# KiCad board backplane.20-slot.kicad_pcb (continued)
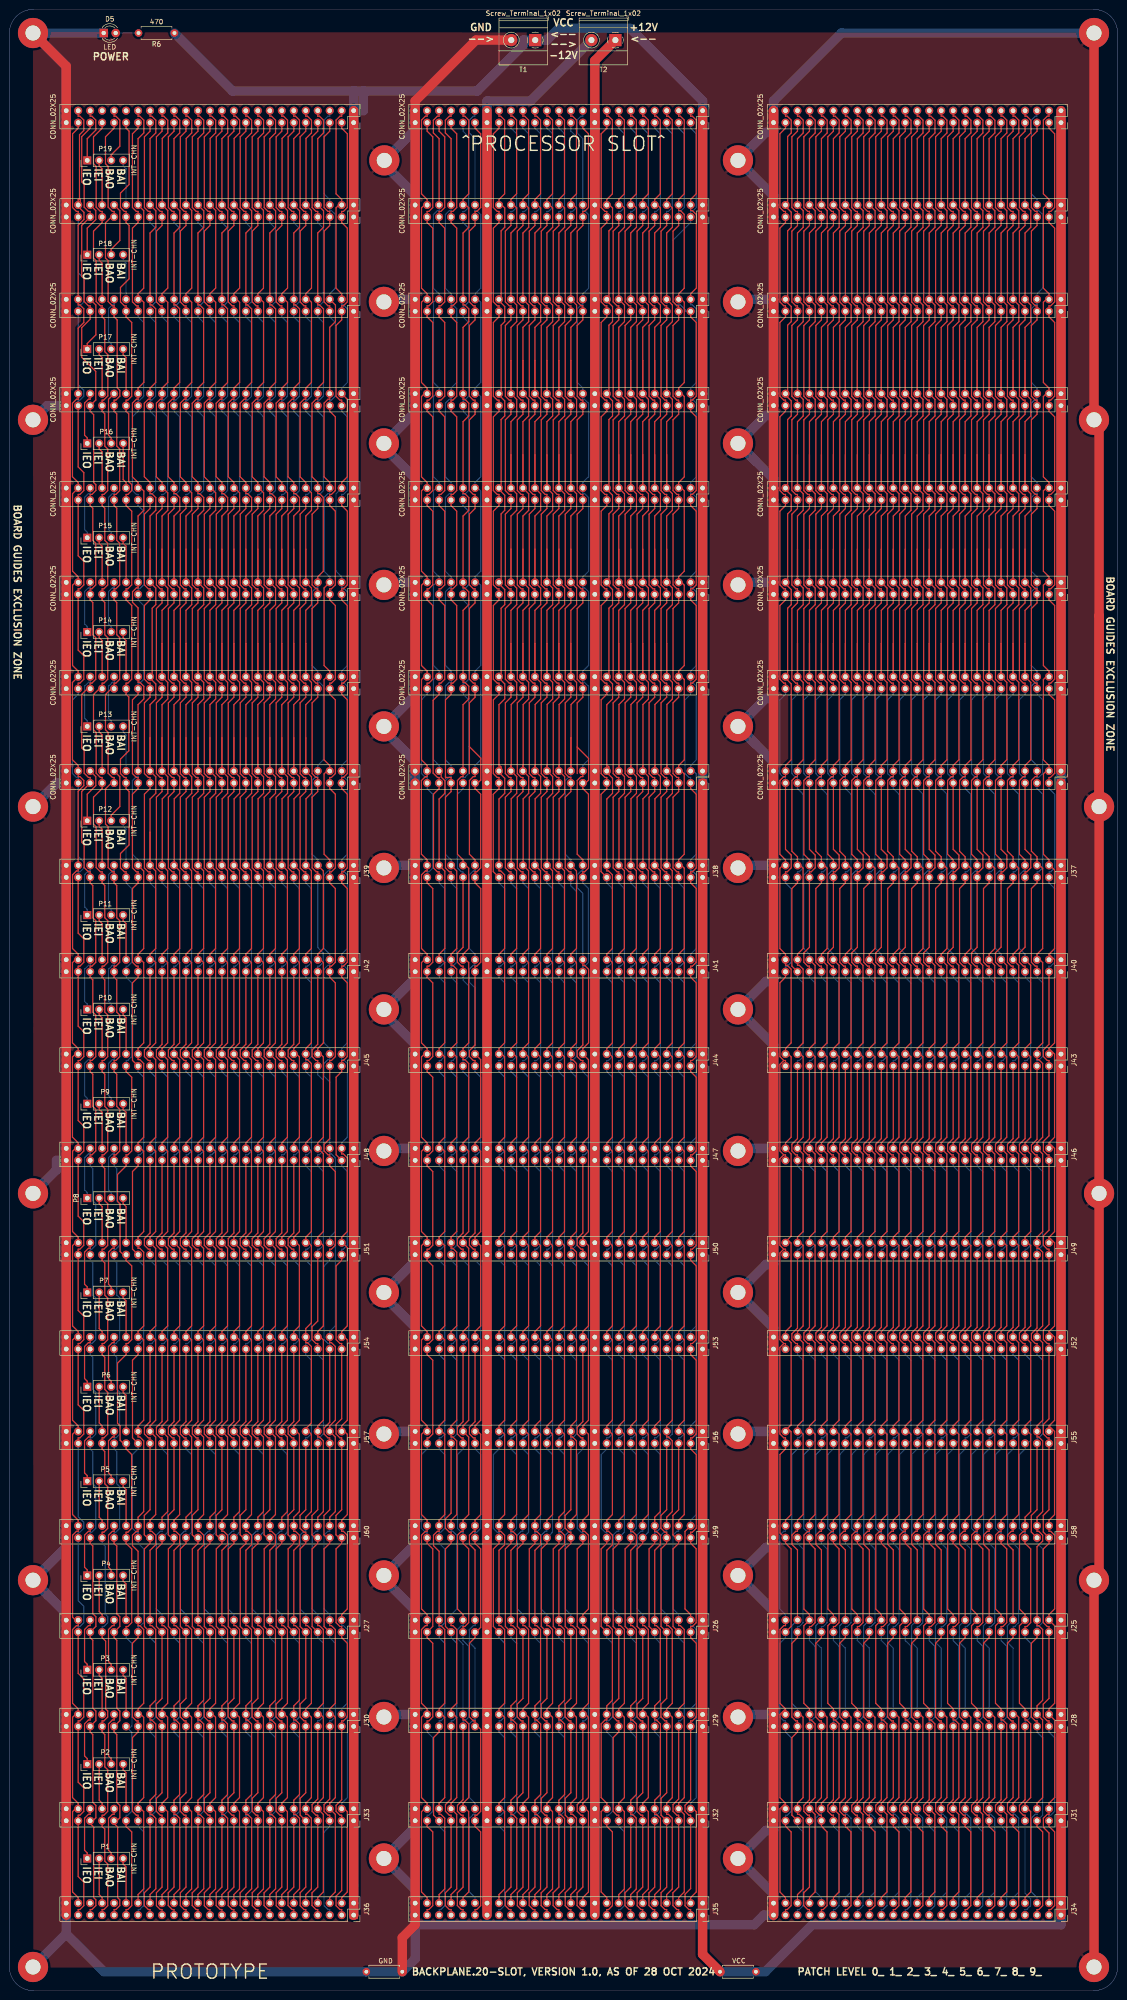
[diagram p0: board, top side]
## Routing (per net, layer and track width the routed paths; a pad name or vN(x,y) marks a point on that pad's centre or on a via; arc(x,y) is an arc through that point) (continued)
/A23: length 405
  Top w0.25: 121.6,179.13 122.79,177.93 122.79,160.91 121.6,159.72 121.6,159.13 ; 121.6,179.13 121.6,179.72 122.79,180.91 122.79,197.35 J44.22 121.6,199.72 122.81,200.93 122.81,216.52 121.97,217.36 121.6,217.36 J41.22 ; 121.6,179.13 J47.22 ; J53.22 121.6,139.13 ; 121.6,139.13 122.79,137.93 122.79,120.91 121.6,119.72 121.6,119.13 ; 121.6,139.13 121.6,139.72 122.79,140.91 122.79,157.93 121.6,159.13 ; 121.6,39.13 121.6,39.72 122.79,40.91 122.79,57.93 121.6,59.13 ; 121.6,39.13 122.79,37.93 122.79,20.91 121.6,19.72 J35.22 ; 121.6,39.13 J32.22 ; 121.6,159.13 J50.22 ; J56.22 121.6,119.13 ; 121.6,119.13 122.79,117.94 122.79,100.91 121.6,99.72 J59.22 121.6,97.36 121.97,97.36 122.8,96.54 122.8,80.91 121.6,79.72 J26.22 121.6,77.36 121.97,77.36 122.79,76.54 122.79,60.91 121.6,59.72 121.6,59.13 ; 121.6,59.13 J29.22 ; J38.22 121.6,239.72 120.41,240.91 120.41,256.54 121.23,257.36 121.6,257.36 J2.22
  Bottom w0.25: J2.22 121.6,259.72 122.81,260.93 122.81,276.52 121.97,277.36 121.6,277.36 J5.22 121.6,279.72 122.81,280.93 122.81,296.52 121.97,297.36 121.6,297.36 J8.22 121.6,299.72 122.81,300.93 122.81,316.52 121.97,317.36 121.6,317.36 J11.22 121.6,319.72 122.81,320.93 122.81,336.52 121.97,337.36 121.6,337.36 J14.22 121.6,339.72 120.41,340.91 120.41,356.54 121.23,357.36 121.6,357.36 J17.22 121.6,359.72 122.81,360.93 122.81,376.52 121.97,377.36 121.6,377.36 J20.22 121.6,392.6 120.38,393.82 120.38,396.51 121.23,397.36 121.6,397.36 J23.22 ; J41.22 121.6,232.6 120.38,233.82 120.38,236.51 121.23,237.36 121.6,237.36 J38.22
/A24: length 406.4
  Top w0.25: 126.68,39.13 125.49,37.93 125.49,20.91 126.68,19.72 J35.18 ; 126.68,39.13 J32.18 ; 126.68,39.13 126.68,39.72 125.49,40.91 125.49,56.54 126.31,57.36 126.68,57.36 J29.18 126.68,60.35 127.87,61.54 127.87,76.54 127.05,77.36 126.68,77.36 J26.18 126.68,93.33 127.87,94.52 127.87,96.54 127.05,97.36 126.68,97.36 J59.18 126.68,99.72 127.87,100.91 127.87,117.94 126.68,119.13 ; 127.13,318.54 127.13,317.78 127.9,317.01 127.9,313.82 127.13,313.05 127.13,298.54 ; 127.13,318.54 127.13,333.05 127.9,333.82 127.9,337.01 127.13,337.78 127.13,338.54 ; 127.13,318.54 126.68,318.54 ; 126.68,199.13 127.87,197.94 127.87,180.91 126.68,179.72 126.68,179.13 ; 126.68,199.13 126.68,199.72 127.87,200.91 127.87,217.94 126.68,219.13 ; 126.68,199.13 J44.18 ; 126.68,219.13 126.68,219.72 127.87,220.91 127.87,236.54 127.05,237.36 126.68,237.36 J38.18 126.68,252.6 127.9,253.82 127.9,257.01 127.13,257.78 127.13,259.39 126.68,259.85 ; 126.68,219.13 J41.18 ; J23.18 126.68,397.36 127.05,397.36 127.87,396.54 127.87,380.91 126.68,379.72 126.68,379.13 ; 127.13,278.54 127.13,293.05 127.9,293.82 127.9,297.01 127.13,297.78 127.13,298.54 ; 127.13,278.54 127.13,277.78 127.9,277.01 127.9,273.82 126.68,272.6 126.68,259.85 ; 127.13,278.54 126.68,278.54 ; J50.18 126.68,159.13 ; 126.68,159.13 126.68,159.72 127.87,160.91 127.87,177.94 126.68,179.13 ; 126.68,159.13 127.87,157.94 127.87,140.91 126.68,139.72 126.68,139.13 ; 127.13,298.54 126.68,298.54 ; J56.18 126.68,119.13 ; 126.68,119.13 126.68,119.72 127.87,120.91 127.87,137.94 126.68,139.13 ; 126.68,278.54 J5.18 126.68,278.54 ; 127.13,338.54 127.13,353.05 127.9,353.82 127.9,357.01 127.13,357.78 127.13,358.54 ; 127.13,338.54 126.68,338.54 ; 126.68,298.54 J8.18 126.68,298.54 ; 126.68,318.54 J11.18 126.68,318.54 ; 126.68,139.13 J53.18 ; 126.68,259.85 J2.18 ; 126.68,179.13 J47.18 ; 127.13,358.54 127.13,373.05 127.9,373.82 127.9,377.91 126.68,379.13 ; 127.13,358.54 J17.18 ; 126.68,379.13 J20.18 ; 126.68,338.54 J14.18 126.68,338.54
/A25: length 434.1
  Top w0.25: J35.16 129.22,20.35 130.41,21.54 130.41,37.94 129.22,39.13 ; 129.22,199.13 130.41,197.93 130.41,180.91 129.22,179.72 129.22,179.13 ; 129.22,199.13 129.22,199.72 130.41,200.91 130.41,217.93 129.22,219.13 ; 129.22,199.13 J44.16 ; J14.16 130.44,337.32 130.44,333.82 129.22,332.6 129.22,325.57 ; J14.16 129.22,345.57 ; J14.16 129.22,345.57 ; J26.16 129.22,77.36 129.59,77.36 130.41,76.54 130.41,60.91 129.22,59.72 129.22,59.13 ; 129.27,259.71 129.27,272.65 130.44,273.82 130.44,277.32 J5.16 ; 129.27,259.71 129.22,259.66 J2.16 ; 129.27,259.71 129.27,258.54 130.44,257.38 130.44,253.82 129.27,252.65 129.27,238.54 ; J59.16 129.22,99.72 130.41,100.91 130.41,117.93 129.22,119.13 ; J38.16 129.27,238.54 ; 129.27,238.54 130.41,237.4 130.41,220.91 129.22,219.72 129.22,219.13 ; 129.22,345.57 129.22,352.6 130.44,353.82 130.44,357.32 J17.16 129.22,372.6 130.44,373.82 130.44,377.91 129.22,379.13 ; J47.16 129.22,179.13 ; 129.22,179.13 130.41,177.93 130.41,160.91 129.22,159.72 129.22,159.13 ; 129.22,39.13 129.22,39.72 130.41,40.91 130.41,57.94 129.22,59.13 ; 129.22,39.13 J32.16 ; J29.16 129.22,59.13 ; J20.16 129.22,379.13 ; 129.22,379.13 129.22,379.72 130.41,380.91 130.41,396.54 129.59,397.36 129.22,397.36 J23.16 ; 129.22,305.57 129.22,312.6 130.44,313.82 130.44,317.32 J11.16 ; 129.22,305.57 J8.16 ; 129.22,305.57 J8.16 ; 129.22,159.13 130.41,157.93 130.41,140.91 129.22,139.72 129.22,139.13 ; 129.22,159.13 J50.16 ; J8.16 130.44,297.32 130.44,293.82 129.22,292.6 129.22,285.57 ; 129.22,285.57 J5.16 ; 129.22,285.57 J5.16 ; J53.16 129.22,139.13 ; 129.22,139.13 130.41,137.93 130.41,120.91 129.22,119.72 129.22,119.13 ; 129.22,325.57 J11.16 ; 129.22,325.57 J11.16 ; 129.22,219.13 J41.16 ; 129.22,119.13 J56.16
  Bottom w0.25: J59.16 129.22,97.36 128.85,97.36 128.03,96.54 128.03,80.91 129.22,79.72 J26.16
/A26: length 433.4
  Top w0.25: 131.81,259.71 131.81,258.54 132.98,257.38 132.98,253.82 131.81,252.65 131.81,238.54 ; 131.81,259.71 131.81,272.65 132.98,273.82 132.98,277.32 J5.14 ; 131.81,259.71 131.76,259.66 J2.14 ; 131.76,285.57 J5.14 ; 131.76,285.57 J5.14 ; 131.76,285.57 131.76,292.6 132.98,293.82 132.98,297.32 J8.14 ; J20.14 131.76,379.13 ; 131.76,379.13 132.98,377.91 132.98,373.82 131.76,372.6 J17.14 132.98,357.32 132.98,353.82 131.76,352.6 131.76,345.57 ; 131.76,379.13 131.76,379.72 132.95,380.91 132.95,396.54 132.13,397.36 131.76,397.36 J23.14 ; 131.76,219.13 132.95,217.93 132.95,200.91 131.76,199.72 131.76,199.13 ; 131.76,219.13 131.76,219.72 132.95,220.91 132.95,237.4 131.81,238.54 ; 131.76,219.13 J41.14 ; J35.14 131.76,20.35 132.94,21.53 132.94,36.55 132.13,37.36 131.76,37.36 J32.14 131.76,40.35 132.97,41.57 132.97,56.52 132.13,57.36 131.76,57.36 J29.14 131.76,60.35 132.95,61.55 132.95,76.54 132.13,77.36 131.76,77.36 J26.14 131.76,93.33 132.95,94.52 132.95,96.54 132.13,97.36 131.76,97.36 J59.14 131.76,99.72 132.95,100.91 132.95,117.93 131.76,119.13 ; 131.76,179.13 131.76,179.72 132.95,180.91 132.95,197.93 131.76,199.13 ; 131.76,179.13 132.95,177.93 132.95,160.91 131.76,159.72 131.76,159.13 ; 131.76,179.13 J47.14 ; 131.76,345.57 J14.14 ; 131.76,345.57 J14.14 ; J14.14 132.98,337.32 132.98,333.82 131.76,332.6 131.76,325.57 ; 131.76,139.13 132.95,137.93 132.95,120.91 131.76,119.72 131.76,119.13 ; 131.76,139.13 J53.14 ; 131.76,139.13 131.76,139.72 132.95,140.91 132.95,157.93 131.76,159.13 ; 131.76,159.13 J50.14 ; J8.14 131.76,305.57 ; J8.14 131.76,305.57 ; 131.76,305.57 131.76,312.6 132.98,313.82 132.98,317.32 J11.14 ; 131.81,238.54 J38.14 ; 131.76,325.57 J11.14 ; 131.76,325.57 J11.14 ; 131.76,199.13 J44.14 ; J56.14 131.76,119.13
/A27: length 434.1
  Top w0.25: 134.3,219.13 134.3,219.72 135.49,220.91 135.49,237.4 134.35,238.54 ; 134.3,219.13 J41.12 ; 134.3,219.13 135.49,217.93 135.49,200.91 134.3,199.72 134.3,199.13 ; 134.3,119.13 134.3,119.72 135.49,120.91 135.49,137.93 134.3,139.13 ; 134.3,119.13 135.49,117.93 135.49,100.91 134.3,99.72 J59.12 ; 134.3,119.13 J56.12 ; 134.3,139.13 134.3,139.72 135.49,140.91 135.49,157.93 134.3,159.13 ; 134.3,139.13 J53.12 ; 134.3,59.13 134.3,59.72 135.49,60.91 135.49,76.54 134.67,77.36 134.3,77.36 J26.12 ; 134.3,59.13 135.49,57.94 135.49,40.91 134.3,39.72 134.3,39.13 ; 134.3,59.13 J29.12 ; 134.3,345.57 134.3,352.6 135.52,353.82 135.52,357.32 J17.12 134.3,372.6 135.52,373.82 135.52,377.91 134.3,379.13 ; 134.3,345.57 J14.12 ; 134.3,345.57 J14.12 ; 134.35,238.54 134.35,252.65 135.52,253.82 135.52,257.38 134.35,258.54 134.35,259.71 ; 134.35,238.54 J38.12 ; 134.3,379.13 134.3,379.72 135.49,380.91 135.49,396.54 134.67,397.36 134.3,397.36 J23.12 ; 134.3,379.13 J20.12 ; J47.12 134.3,179.13 ; 134.3,179.13 135.49,177.93 135.49,160.91 134.3,159.72 134.3,159.13 ; 134.3,179.13 134.3,179.72 135.49,180.91 135.49,197.93 134.3,199.13 ; 134.3,305.57 134.3,312.6 135.52,313.82 135.52,317.32 J11.12 ; 134.3,305.57 J8.12 ; 134.3,305.57 J8.12 ; J5.12 135.52,277.32 135.52,273.82 134.35,272.65 134.35,259.71 ; J5.12 134.3,285.57 ; J5.12 134.3,285.57 ; J8.12 135.52,297.32 135.52,293.82 134.3,292.6 134.3,285.57 ; 134.3,199.13 J44.12 ; 134.3,39.13 135.49,37.94 135.49,21.54 134.3,20.35 J35.12 ; 134.3,39.13 J32.12 ; J14.12 135.52,337.32 135.52,333.82 134.3,332.6 134.3,325.57 ; 134.35,259.71 134.3,259.66 J2.12 ; 134.3,325.57 J11.12 ; 134.3,325.57 J11.12 ; J50.12 134.3,159.13
  Bottom w0.25: J59.12 134.3,97.36 133.93,97.36 133.11,96.54 133.11,80.91 134.3,79.72 J26.12
/A28: length 433.4
  Top w0.25: 136.84,345.57 136.84,352.6 138.06,353.82 138.06,357.32 J17.10 136.84,372.6 138.06,373.82 138.06,377.91 136.84,379.13 ; 136.84,345.57 J14.10 ; 136.84,345.57 J14.10 ; 136.84,139.13 136.84,139.72 138.03,140.91 138.03,157.93 136.84,159.13 ; 136.84,139.13 138.03,137.93 138.03,120.91 136.84,119.72 136.84,119.13 ; 136.84,139.13 J53.10 ; 136.84,285.57 J5.10 ; 136.84,285.57 J5.10 ; 136.84,285.57 136.84,292.6 138.06,293.82 138.06,297.32 J8.10 ; J5.10 138.06,277.32 138.06,273.82 136.89,272.65 136.89,259.71 ; J23.10 136.84,397.36 137.21,397.36 138.03,396.54 138.03,380.91 136.84,379.72 136.84,379.13 ; J56.10 136.84,119.13 ; 136.84,119.13 138.03,117.93 138.03,101.55 136.84,100.35 J59.10 136.84,97.36 137.21,97.36 138.03,96.54 138.03,94.52 136.84,93.33 J26.10 136.84,77.36 137.21,77.36 138.03,76.54 138.03,61.55 136.84,60.35 J29.10 136.84,57.36 137.21,57.36 138.05,56.52 138.05,41.57 136.84,40.35 J32.10 136.84,37.36 137.21,37.36 138.06,36.51 138.06,21.57 136.84,20.35 J35.10 ; J11.10 138.06,317.32 138.06,313.82 136.84,312.6 136.84,305.57 ; J11.10 136.84,325.57 ; J11.10 136.84,325.57 ; 136.84,159.13 136.84,159.72 138.03,160.91 138.03,177.93 136.84,179.13 ; 136.84,159.13 J50.10 ; 136.89,238.54 136.89,252.65 138.06,253.82 138.06,257.38 136.89,258.54 136.89,259.71 ; 136.89,238.54 J38.10 ; 136.89,238.54 138.03,237.4 138.03,220.91 136.84,219.72 136.84,219.13 ; J14.10 138.06,337.32 138.06,333.82 136.84,332.6 136.84,325.57 ; 136.84,199.13 138.03,197.93 138.03,180.91 136.84,179.72 136.84,179.13 ; 136.84,199.13 136.84,199.72 138.03,200.91 138.03,217.93 136.84,219.13 ; 136.84,199.13 J44.10 ; 136.84,379.13 J20.10 ; J47.10 136.84,179.13 ; 136.84,219.13 J41.10 ; 136.89,259.71 136.84,259.66 J2.10 ; 136.84,305.57 J8.10 ; 136.84,305.57 J8.10
/A29: length 433.4
  Top w0.25: 139.38,159.13 139.38,159.72 140.57,160.91 140.57,177.93 139.38,179.13 ; 139.38,159.13 140.57,157.93 140.57,140.91 139.38,139.72 139.38,139.13 ; 139.38,159.13 J50.8 ; J38.8 139.43,238.54 ; 139.43,238.54 140.57,237.4 140.57,220.91 139.38,219.72 139.38,219.13 ; 139.43,238.54 139.43,252.65 140.6,253.82 140.6,257.38 139.43,258.54 139.43,259.71 ; 139.38,325.57 J11.8 ; 139.38,325.57 139.38,332.6 140.6,333.82 140.6,337.32 J14.8 ; 139.38,325.57 J11.8 ; J11.8 140.6,317.32 140.6,313.82 139.38,312.6 139.38,305.57 ; J47.8 139.38,179.13 ; 139.38,179.13 139.38,179.72 140.57,180.91 140.57,197.93 139.38,199.13 ; 139.38,219.13 J41.8 ; 139.38,219.13 140.57,217.93 140.57,200.91 139.38,199.72 139.38,199.13 ; 139.43,259.71 139.43,272.65 140.6,273.82 140.6,277.32 J5.8 ; 139.43,259.71 139.38,259.66 J2.8 ; J8.8 140.6,297.32 140.6,293.82 139.38,292.6 139.38,285.57 ; J8.8 139.38,305.57 ; J8.8 139.38,305.57 ; J29.8 139.38,59.13 ; 139.38,59.13 140.57,57.94 140.57,40.91 139.38,39.72 J32.8 139.38,37.36 139.75,37.36 140.57,36.54 140.57,21.54 139.38,20.35 J35.8 ; 139.38,59.13 139.38,59.72 140.57,60.91 140.57,76.54 139.75,77.36 139.38,77.36 J26.8 ; J14.8 139.38,345.57 ; J14.8 139.38,345.57 ; 139.38,345.57 139.38,352.6 140.6,353.82 140.6,357.32 J17.8 139.38,372.6 140.6,373.82 140.6,377.91 139.38,379.13 ; 139.38,139.13 140.57,137.93 140.57,120.91 139.38,119.72 J56.8 139.38,117.36 139.75,117.36 140.57,116.54 140.57,101.54 139.38,100.35 J59.8 ; 139.38,139.13 J53.8 ; 139.38,285.57 J5.8 ; 139.38,285.57 J5.8 ; 139.38,379.13 139.38,379.72 140.57,380.91 140.57,396.54 139.75,397.36 139.38,397.36 J23.8 ; 139.38,379.13 J20.8 ; 139.38,199.13 J44.8
  Bottom w0.25: J59.8 139.38,97.36 139.01,97.36 138.19,96.54 138.19,80.91 139.38,79.72 J26.8
/A30: length 407.9
  Top w0.25: 141.92,179.13 141.92,179.72 143.11,180.91 143.11,197.93 141.92,199.13 ; 141.92,179.13 143.11,177.93 143.11,160.91 141.92,159.72 141.92,159.13 ; 141.92,179.13 J47.6 ; 143.11,257.94 143.11,257.93 ; 143.11,257.94 141.92,259.13 ; 143.11,257.94 143.11,240.9 141.92,239.72 141.92,239.13 ; 141.92,279.13 141.92,279.72 143.11,280.91 143.11,297.94 141.92,299.13 ; 141.92,279.13 J5.6 ; 141.92,279.13 143.11,277.93 143.11,260.91 141.92,259.72 141.92,259.13 ; 141.92,239.13 143.11,237.93 143.11,220.91 141.92,219.72 141.92,219.13 ; 141.92,239.13 J38.6 ; J26.6 141.92,77.36 142.29,77.36 143.11,76.54 143.11,60.91 141.92,59.72 141.92,59.13 ; J59.6 141.92,99.72 143.11,100.91 143.11,117.94 141.92,119.13 ; J11.6 141.92,319.13 ; 141.92,319.13 141.92,319.72 143.11,320.91 143.11,337.93 141.92,339.13 ; 141.92,319.13 143.11,317.94 143.11,300.91 141.92,299.72 141.92,299.13 ; 141.92,359.13 141.92,359.72 143.1,360.9 143.1,376.55 142.29,377.36 141.92,377.36 J20.6 141.92,379.72 143.11,380.91 143.11,396.54 142.29,397.36 141.92,397.36 J23.6 ; 141.92,359.13 J17.6 ; 141.92,359.13 143.11,357.93 143.11,340.91 141.92,339.72 141.92,339.13 ; 141.92,339.13 J14.6 ; 141.92,159.13 143.11,157.93 143.11,140.91 141.92,139.72 141.92,139.13 ; 141.92,159.13 J50.6 ; J8.6 141.92,299.13 ; 141.92,259.13 J2.6 ; 141.92,219.13 J41.6 ; 141.92,219.13 143.11,217.93 143.11,200.91 141.92,199.72 141.92,199.13 ; 141.92,59.13 J29.6 ; 141.92,59.13 143.11,57.93 143.11,40.91 141.92,39.72 J32.6 143.11,37.35 143.11,20.91 141.92,19.72 J35.6 ; 141.92,119.13 141.92,119.72 143.11,120.91 143.11,137.93 141.92,139.13 ; 141.92,119.13 J56.6 ; J53.6 141.92,139.13 ; 141.92,199.13 J44.6
  Bottom w0.25: J26.6 141.92,79.72 140.73,80.91 140.73,96.54 141.55,97.36 141.92,97.36 J59.6
/A31: length 406.6
  Top w0.25: J32.4 144.46,39.13 145.65,37.93 145.65,20.91 144.46,19.72 J35.4 ; J26.4 144.46,79.72 143.27,80.91 143.27,97.35 J59.4 ; J23.4 144.46,397.36 144.83,397.36 145.65,396.54 145.65,380.91 144.46,379.72 J20.4 144.46,377.36 144.83,377.36 145.68,376.52 145.68,360.93 144.46,359.72 J17.4
  Bottom w0.25: J47.4 144.46,179.13 ; 144.46,179.13 144.46,179.72 145.65,180.91 145.65,197.93 144.46,199.13 ; 144.46,179.13 145.65,177.93 145.65,160.91 144.46,159.72 144.46,159.13 ; J41.4 144.46,219.13 ; 144.46,219.13 145.65,217.93 145.65,200.91 144.46,199.72 144.46,199.13 ; 144.46,219.13 144.46,219.72 145.65,220.91 145.65,236.54 144.83,237.36 144.46,237.36 J38.4 144.46,239.72 145.66,240.91 145.66,257.93 144.46,259.13 ; J29.4 144.46,59.13 ; 144.46,59.13 144.46,59.72 145.65,60.91 145.65,76.54 144.83,77.36 144.46,77.36 J26.4 ; 144.46,59.13 145.65,57.93 145.65,40.91 144.46,39.72 J32.4 ; J17.4 144.46,357.36 144.83,357.36 145.65,356.54 145.65,340.91 144.46,339.72 J14.4 144.46,337.36 144.83,337.36 145.65,336.54 145.65,320.91 144.46,319.72 J11.4 144.46,317.36 144.83,317.36 145.65,316.54 145.65,300.91 144.46,299.72 J8.4 144.46,297.36 144.83,297.36 145.65,296.54 145.65,280.91 144.46,279.72 J5.4 144.46,277.36 144.83,277.36 145.65,276.54 145.65,260.91 144.46,259.72 144.46,259.13 ; 144.46,259.13 J2.4 ; J56.4 144.46,119.13 ; 144.46,119.13 144.46,119.72 145.65,120.91 145.65,137.93 144.46,139.13 ; 144.46,119.13 145.65,117.93 145.65,100.91 144.46,99.72 J59.4 ; 144.46,159.13 145.65,157.93 145.65,140.91 144.46,139.72 144.46,139.13 ; 144.46,159.13 J50.4 ; 144.46,139.13 J53.4 ; 144.46,199.13 J44.4
/AUXCLK0: length 408.1
  Top w0.25: J50.48 88.58,159.13 ; 88.58,159.13 88.58,159.72 87.39,160.91 87.39,177.93 88.58,179.13 ; 88.58,159.13 87.39,157.93 87.39,140.91 88.58,139.72 88.58,139.13 ; J47.48 88.58,179.13 ; 88.58,179.13 88.58,179.72 87.39,180.91 87.39,197.93 88.58,199.13 ; J5.48 88.58,279.13 ; 88.58,279.13 88.58,279.72 87.39,280.91 87.39,297.94 88.58,299.13 ; 88.58,279.13 87.39,277.94 87.39,260.91 88.58,259.72 J2.48 88.58,257.36 88.21,257.36 87.37,256.52 87.37,240.93 88.58,239.72 J38.48 88.58,237.36 88.21,237.36 87.39,236.54 87.39,220.91 88.58,219.72 88.58,219.13 ; J53.48 88.58,139.13 ; 88.58,139.13 87.39,137.93 87.39,120.91 88.58,119.72 88.58,119.13 ; J29.48 88.58,59.13 ; 88.58,59.13 87.39,57.93 87.39,40.91 88.58,39.72 88.58,39.13 ; 88.58,59.13 88.58,59.72 87.39,60.91 87.39,76.54 88.21,77.36 88.58,77.36 J26.48 88.58,79.72 87.39,80.91 87.39,96.54 88.21,97.36 88.58,97.36 J59.48 88.58,99.72 87.39,100.91 87.39,117.93 88.58,119.13 ; 88.58,339.13 88.58,339.72 87.39,340.91 87.39,357.94 88.58,359.13 ; 88.58,339.13 J14.48 ; 88.58,339.13 87.39,337.93 87.39,320.91 88.58,319.72 88.58,319.13 ; 88.58,199.13 88.58,199.72 87.39,200.91 87.39,217.93 88.58,219.13 ; 88.58,199.13 J44.48 ; 88.58,299.13 88.58,299.72 87.39,300.91 87.39,317.93 88.58,319.13 ; 88.58,299.13 J8.48 ; 88.58,379.13 88.58,379.72 87.39,380.91 87.39,396.54 88.21,397.36 88.58,397.36 J23.48 ; 88.58,379.13 87.39,377.93 87.39,360.91 88.58,359.72 88.58,359.13 ; 88.58,379.13 J20.48 ; 88.58,219.13 J41.48 ; J32.48 88.58,39.13 ; 88.58,39.13 87.39,37.93 87.39,20.91 88.58,19.72 J35.48 ; J11.48 88.58,319.13 ; J17.48 88.58,359.13 ; J56.48 88.58,119.13
/AUXCLK1: length 402.6
  Top w0.25: J23.47 88.58,394.19 89.77,393 89.77,378 88.94,377.18 88.58,377.18 J20.47 88.58,374.82 89.77,373.63 89.77,358 88.94,357.18 88.58,357.18 J17.47 88.58,354.82 89.77,353.63 89.77,338 88.94,337.18 88.58,337.18 J14.47 88.58,334.82 89.77,333.63 89.77,318 88.94,317.18 88.58,317.18 J11.47 88.58,314.82 89.77,313.63 89.77,298 88.94,297.18 88.58,297.18 J8.47 88.58,294.82 89.77,293.63 89.77,278 88.94,277.18 88.58,277.18 J5.47 ; J56.47 88.58,117.18 88.95,117.18 89.77,118 89.77,133.63 88.58,134.82 J53.47 88.58,137.18 88.95,137.18 89.77,138 89.77,153.63 88.58,154.82 J50.47 88.58,157.18 88.95,157.18 89.77,158 89.77,173.63 88.58,174.82 J47.47 88.58,177.18 88.95,177.18 89.77,178 89.77,193.63 88.58,194.82 J44.47 88.58,197.18 88.95,197.18 89.77,198 89.77,213.63 88.58,214.82 J41.47 88.58,217.18 88.95,217.18 89.77,218 89.77,233.63 88.58,234.82 J38.47 ; J35.47 88.58,17.18 88.95,17.18 89.77,18 89.77,33.63 88.58,34.82 J32.47 ; J29.47 88.58,57.18 88.95,57.18 89.77,58 89.77,73.63 88.58,74.82 J26.47 89.77,77.19 89.77,93.63 88.58,94.82 J59.47
  Bottom w0.25: J59.47 88.58,97.18 88.21,97.18 87.37,98.02 87.37,113.61 88.58,114.82 J56.47 ; J29.47 88.58,54.82 89.77,53.63 89.77,38 88.95,37.18 88.58,37.18 J32.47 ; J38.47 88.58,237.18 88.95,237.18 89.77,238 89.77,253.63 88.58,254.82 J2.47 88.58,257.18 88.21,257.18 87.39,258 87.39,273.63 88.58,274.82 J5.47
/AUXCLK2: length 405.3
  Top w0.25: 165.03,338.54 165.03,337.78 165.8,337.01 165.8,333.82 165.03,333.05 165.03,318.54 ; 165.03,338.54 165.03,353.05 165.8,353.82 165.8,357.01 165.03,357.78 165.03,358.54 ; 165.03,338.54 164.58,338.54 ; 164.58,239.13 164.58,239.72 163.39,240.91 163.39,256.54 164.21,257.36 164.58,257.36 J3.48 164.58,259.72 165.8,260.93 165.8,277.01 165.03,277.78 165.03,278.54 ; 164.58,239.13 J37.48 ; 164.58,239.13 163.39,237.93 163.39,220.91 164.58,219.72 J40.48 164.58,217.36 164.95,217.36 165.77,216.54 165.77,200.91 164.58,199.72 164.58,199.13 ; 165.03,119.2 165.77,119.94 165.77,137.35 J52.48 164.58,139.72 165.76,140.89 165.76,158.48 165.03,159.2 ; 165.03,119.2 164.66,119.2 164.58,119.13 J55.48 ; 165.03,119.2 165.76,118.48 165.76,100.89 164.58,99.72 J58.48 ; J34.48 164.58,19.72 163.4,20.89 163.4,38.54 164.58,39.72 ; 164.58,39.72 163.4,40.89 163.4,58.54 164.58,59.72 ; 164.58,39.72 J31.48 ; J18.48 165.03,358.54 ; 165.03,358.54 165.03,373.05 165.8,373.82 165.8,377.01 165.03,377.78 165.03,378.54 ; 164.58,59.72 163.4,60.89 163.4,76.56 164.21,77.36 164.58,77.36 J25.48 ; 164.58,59.72 J28.48 ; 165.03,318.54 165.03,317.78 165.8,317.01 165.8,313.82 165.03,313.05 165.03,298.54 ; 165.03,318.54 164.58,318.54 ; J43.48 164.58,199.13 ; 164.58,199.13 165.77,197.94 165.77,180.91 164.58,179.72 J46.48 165.77,177.35 165.77,159.94 165.03,159.2 ; 164.58,338.54 J15.48 164.58,338.54 ; 165.03,298.54 164.58,298.54 ; 165.03,298.54 165.03,297.78 165.8,297.01 165.8,293.82 165.03,293.05 165.03,278.54 ; J24.48 164.58,397.36 164.95,397.36 165.8,396.51 165.8,393.82 165.03,393.05 165.03,378.54 ; 165.03,278.54 164.58,278.54 ; 164.58,278.54 J6.48 164.58,278.54 ; 164.58,298.54 J9.48 164.58,298.54 ; 165.03,159.2 164.66,159.2 164.58,159.13 J49.48 ; 165.03,378.54 J21.48 ; 164.58,318.54 J12.48 164.58,318.54
  Bottom w0.25: J25.48 164.58,79.72 163.37,80.93 163.37,96.52 164.21,97.36 164.58,97.36 J58.48
/AUXCLK3: length 431.6
  Top w0.25: 167.12,285.57 167.12,292.6 168.34,293.82 168.34,297.32 J9.46 ; 167.12,285.57 J6.46 ; 167.12,285.57 J6.46 ; J49.46 167.12,159.13 ; 167.12,159.13 168.31,157.93 168.31,140.91 167.12,139.72 J52.46 168.31,137.35 168.31,120.91 167.12,119.72 167.12,119.13 ; 167.12,159.13 167.12,159.72 168.31,160.91 168.31,177.35 J46.46 167.12,179.72 168.31,180.91 168.31,197.93 167.12,199.13 ; 167.12,325.57 167.12,332.6 168.34,333.82 168.34,337.32 J15.46 ; 167.12,325.57 J12.46 ; 167.12,325.57 J12.46 ; 167.12,305.57 167.12,312.6 168.34,313.82 168.34,317.32 J12.46 ; 167.12,305.57 J9.46 ; 167.12,305.57 J9.46 ; J6.46 168.34,277.32 168.34,260.93 167.12,259.72 J3.46 167.12,257.36 166.75,257.36 165.93,256.54 165.93,241.54 167.12,240.35 167.12,239.13 ; 167.12,199.13 167.12,199.72 168.31,200.91 168.31,216.54 167.49,217.36 167.12,217.36 J40.46 167.12,219.72 168.31,220.91 168.31,237.94 167.12,239.13 ; 167.12,199.13 J43.46 ; J25.46 167.12,93.4 165.94,94.58 165.94,96.56 166.75,97.36 167.12,97.36 J58.46 167.12,99.72 168.31,100.91 168.31,117.93 167.12,119.13 ; 167.12,239.13 J37.46 ; J15.46 167.12,345.57 ; J15.46 167.12,345.57 ; 167.12,345.57 167.12,352.6 168.34,353.82 168.34,357.32 J18.46 167.12,372.6 168.34,373.82 168.34,377.32 J21.46 167.12,392.6 168.34,393.82 168.34,396.51 167.49,397.36 167.12,397.36 J24.46 ; 167.12,119.13 J55.46 ; J34.46 167.12,20.35 168.31,21.54 168.31,36.54 167.49,37.36 167.12,37.36 J31.46 167.12,39.72 168.31,40.91 168.31,57.94 167.12,59.13 J28.46
  Bottom w0.25: J25.46 165.93,77.35 165.93,60.91 167.12,59.72 J28.46
/CLK: length 403
  Top w0.25: J19.15 55.22,377.18 54.85,377.18 54.03,378 54.03,393 55.22,394.19 J22.15 ; J45.15 55.22,197.18 54.85,197.18 54.03,198 54.03,199.42 55.22,200.61 J42.15 ; J48.15 55.22,160.61 54.03,159.42 54.03,158 54.85,157.18 55.22,157.18 J51.15 ; J60.15 55.22,95.41 ; 55.22,95.41 54.01,96.63 54.01,100.72 55.22,101.94 J57.15 55.22,117.18 54.85,117.18 54.03,118 54.03,119.42 55.22,120.61 J54.15 ; 55.22,95.41 55.22,94.82 54.03,93.63 54.03,77.19 J27.15 ; J10.15 55.22,314.19 54.03,313 54.03,298 54.85,297.18 55.22,297.18 J7.15 55.22,294.19 54.03,293 54.03,278 54.85,277.18 55.22,277.18 J4.15 55.22,274.19 54.03,273 54.03,258 54.85,257.18 55.22,257.18 J1.15 55.22,254.19 54.03,253 54.03,238 54.85,237.18 55.22,237.18 J39.15 ; J36.15 55.22,17.18 54.85,17.18 54,18.03 54,20.72 55.22,21.94 J33.15
  Bottom w0.25: J54.15 55.22,137.18 55.59,137.18 56.41,138 56.41,153.63 55.22,154.82 J51.15 ; J39.15 55.22,234.82 56.41,233.63 56.41,218 55.59,217.18 55.22,217.18 J42.15 ; J10.15 55.22,317.18 55.59,317.18 56.41,318 56.41,333.63 55.22,334.82 J13.15 55.22,337.18 55.59,337.18 56.41,338 56.41,353.63 55.22,354.82 J16.15 55.22,357.18 55.59,357.18 56.41,358 56.41,373.63 55.22,374.82 J19.15 ; J45.15 55.22,194.82 56.41,193.63 56.41,178 55.59,177.18 55.22,177.18 J48.15 ; J27.15 55.22,74.82 56.41,73.63 56.41,58 55.59,57.18 55.22,57.18 J30.15 55.22,54.82 56.41,53.63 56.41,38 55.59,37.18 55.22,37.18 J33.15
/CRUCLK: length 426.4
  Top w0.25: 57.76,305.57 57.76,312.6 58.98,313.82 58.98,317.52 57.76,318.74 ; 57.76,305.57 J7.14 ; 57.76,305.57 J7.14 ; J54.14 57.76,139.13 ; 57.76,139.13 58.95,137.93 58.95,120.91 57.76,119.72 57.76,119.13 ; 57.76,139.13 57.76,139.72 58.95,140.91 58.95,157.35 J51.14 ; 57.76,359.13 58.98,357.91 58.98,340.93 57.76,339.72 J13.14 57.76,337.36 57.39,337.36 56.57,336.54 56.57,320.91 57.76,319.72 57.76,318.74 ; 57.76,359.13 J16.14 ; 57.76,359.13 57.76,359.72 58.98,360.93 58.98,377.37 57.81,378.54 ; 57.76,39.13 58.95,37.94 58.95,21.54 57.76,20.35 J36.14 ; 57.76,39.13 J33.14 ; 57.76,39.13 57.76,39.72 58.95,40.91 58.95,57.94 57.76,59.13 ; 57.81,378.54 57.81,392.65 58.98,393.82 58.98,396.51 58.13,397.36 57.76,397.36 J22.14 ; 57.81,378.54 J19.14 ; J42.14 57.76,219.13 ; 57.76,219.13 57.76,219.72 58.95,220.91 58.95,237.4 57.81,238.54 ; 57.76,219.13 58.95,217.93 58.95,200.91 57.76,199.72 57.76,199.13 ; 57.76,238.54 J39.14 57.76,238.54 ; 57.76,238.54 57.81,238.54 ; 57.76,159.13 57.76,159.72 58.95,160.91 58.95,177.93 57.76,179.13 ; 57.76,159.13 J51.14 ; 57.76,159.13 J51.14 ; 57.76,59.13 57.76,59.72 58.95,60.91 58.95,76.54 58.13,77.36 57.76,77.36 J27.14 ; 57.76,59.13 J30.14 ; 57.76,199.13 J45.14 ; 57.76,199.13 J45.14 ; 57.76,285.57 57.76,292.6 58.98,293.82 58.98,297.32 J7.14 ; 57.76,285.57 J4.14 ; 57.76,285.57 J4.14 ; 57.76,119.13 J57.14 ; 57.76,119.13 J57.14 ; 57.81,238.54 57.81,252.65 58.98,253.82 58.98,257.32 J1.14 ; J57.14 58.95,117.35 58.95,101.55 57.76,100.35 J60.14 ; J45.14 58.95,197.35 58.95,180.91 57.76,179.72 57.76,179.13 ; 57.76,265.57 57.76,272.6 58.98,273.82 58.98,277.32 J4.14 ; 57.76,265.57 J1.14 ; 57.76,265.57 J1.14 ; 57.76,179.13 J48.14 ; 57.76,318.74 J10.14
  Bottom w0.25: J60.14 57.76,97.36 57.4,97.36 56.57,96.54 56.57,80.91 57.76,79.72 J27.14
